# Altium PCB Copy of FOC_V1.1.PcbDoc (part 1 of 2) (continued)
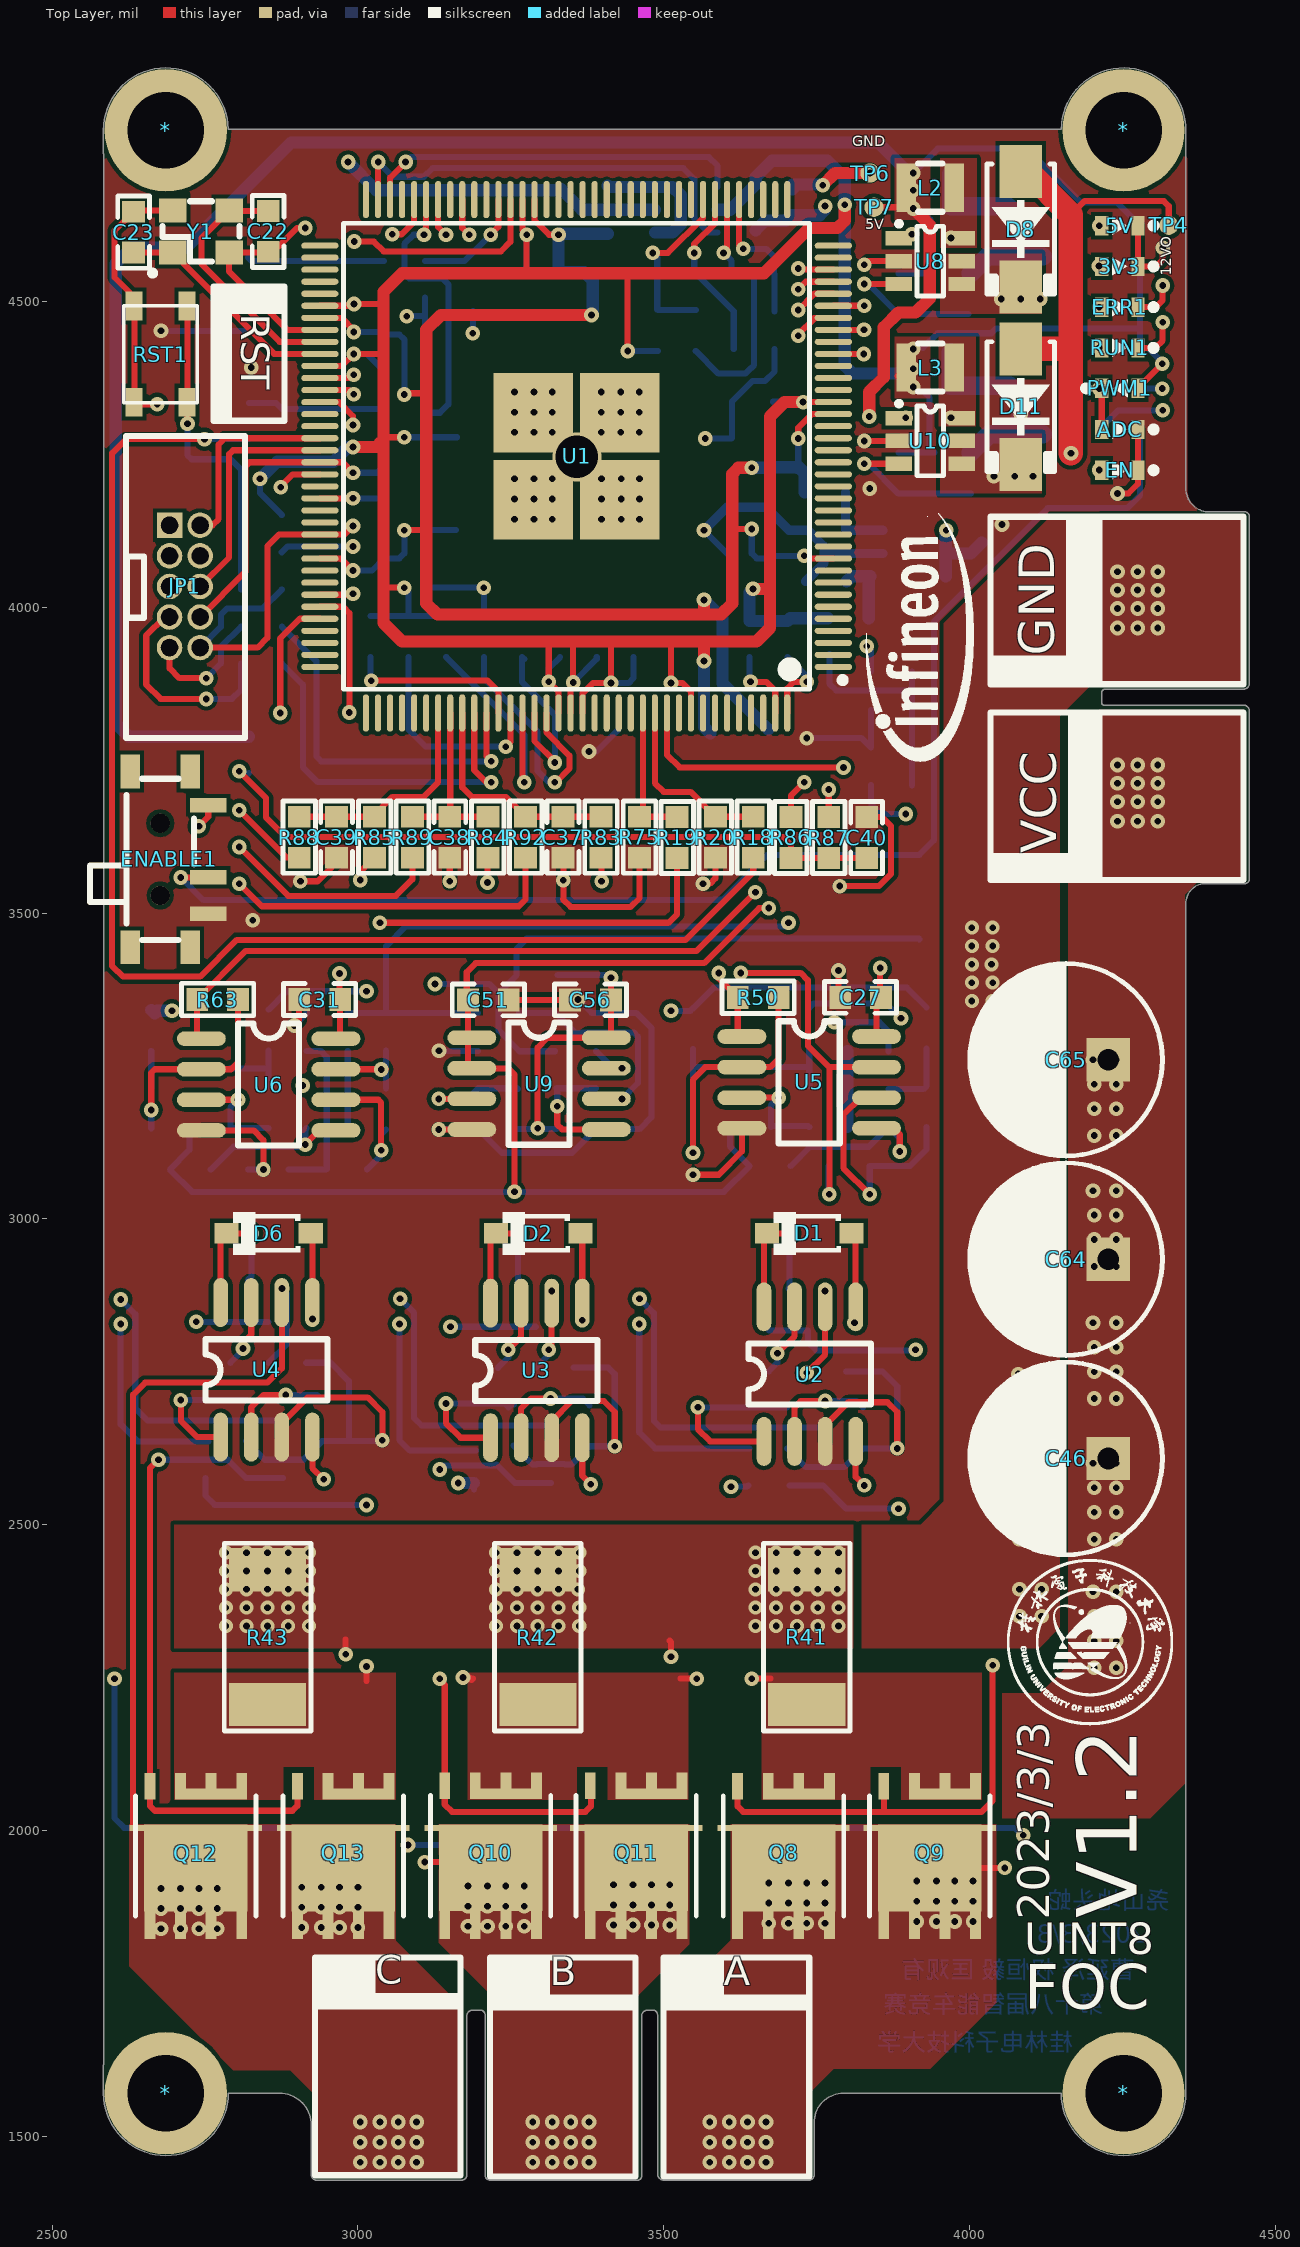
[diagram p0: Top Layer view]
## Components (designator, comment, footprint, x,y, rotation, side; value= is the part's Value field where it differs from the comment) (continued)
R44 "10K ±1%" RESC1608[0603]S-N 2817.51,2670 r270 bottom
R45 "100R ±1%" RESC1608[0603]S-N 2755.51,2669.46 r90 bottom
R46 "100R ±1%" RESC1608[0603]S-N 2879.51,2669.46 r90 bottom
R47 "2mR ±1%" RESC6332[2512]S 3816,2396 r180 bottom
R48 "10K ±1%" RESC1608[0603]S-N 2941.51,2670 r270 bottom
R49 "0R ±1%" RESC1608[0603]S-N 3764,4188 r0 bottom
R50 "150K ±1%" RESC1608[0603]S-N 3654.54,3362 r180 top
R51 "150K ±1%" RESC1608[0603]S-N 3804,3084 r0 bottom
R52 "1K ±1%" RESC1608[0603]S-N 3548,3310.93 r270 bottom
R53 "1K ±1%" RESC1608[0603]S-N 3548,3183.46 r270 bottom
R54 "1K ±1%" RESC1608[0603]S-N 3930,3183.46 r90 bottom
R55 "1K ±1%" RESC1608[0603]S-N 3930,3312 r90 bottom
R56 "1K ±1%" RESC1608[0603]S-N 3738,3311.46 r270 bottom
R57 "1K ±1%" RESC1608[0603]S-N 3738,3183.46 r270 bottom
R58 "1K ±1%" RESC1608[0603]S-N 3834,3150 r180 bottom
R59 "1K ±1%" RESC1608[0603]S-N 3834,3274 r0 bottom
R60 "150K ±1%" RESC1608[0603]S-N 3642,3150 r0 bottom
R61 "150K ±1%" RESC1608[0603]S-N 3674,3084 r180 bottom
R62 "10K ±1%" RESC1608[0603]S-N 3046,3306 r90 bottom
R63 "150K ±1%" RESC1608[0603]S-N 2770.54,3358.54 r180 top
R64 "150K ±1%" RESC1608[0603]S-N 3046,3179.46 r270 bottom
R65 "1K ±1%" RESC1608[0603]S-N 2662,3308 r270 bottom
R66 "1K ±1%" RESC1608[0603]S-N 2662,3181.52 r270 bottom
R67 "1K ±1%" RESC1608[0603]S-N 2981.46,3080.54 r180 bottom
R68 "1K ±1%" RESC1608[0603]S-N 2853.46,3080.54 r180 bottom
R69 "1K ±1%" RESC1608[0603]S-N 2854,3308.54 r270 bottom
R70 "1K ±1%" RESC1608[0603]S-N 2854,3182.54 r270 bottom
R71 "1K ±1%" RESC1608[0603]S-N 2949.46,3148.05 r0 bottom
R72 "1K ±1%" RESC1608[0603]S-N 2949.89,3212.54 r180 bottom
R73 "150K ±1%" RESC1608[0603]S-N 2758,3148.54 r0 bottom
R74 "150K ±1%" RESC1608[0603]S-N 2726,3080.54 r180 bottom
R75 "10K ±1%" RESC1608[0603]S-N 3460.52,3624 r90 top
R76 "1K ±1%" RESC1608[0603]S-N 4245.59,4490.77 r0 bottom
R77 "1K ±1%" RESC1608[0603]S-N 4245.59,4424.15 r0 bottom
R78 "1K ±1%" RESC1608[0603]S-N 4245.53,4357.53 r180 bottom
R79 "1K ±1%" RESC1608[0603]S-N 4245.59,4224.3 r0 bottom
R80 "0R ±1%" RESC1608[0603]S-N 3802,3980 r180 bottom
R83 "4.7K ±1%" RESC1608[0603]S-N 3397.56,3624 r270 top
R84 "4.7K ±1%" RESC1608[0603]S-N 3212.47,3624 r270 top
R85 "4.7K ±1%" RESC1608[0603]S-N 3027.38,3624 r270 top
R86 "10K ±1%" RESC1608[0603]S-N 3708,3623.46 r90 top
R87 "100R ±1%" RESC1608[0603]S-N 3770,3623.41 r270 top
R88 "100R ±1%" RESC1608[0603]S-N 2904.11,3624 r270 top
R89 "100R ±1%" RESC1608[0603]S-N 3089.2,3624 r270 top
R90 "30K ±1%" RESC1608[0603]S-N 3872.43,3708.82 r0 bottom
R91 "100R ±1%" RESC1608[0603]S-N 3872.43,3894.82 r0 bottom
R92 "100R ±1%" RESC1608[0603]S-N 3274.29,3624 r270 top
R93 "10K ±1%" RESC1608[0603]S-N 3872.38,3770.82 r180 bottom
R94 "4.7K ±1%" RESC1608[0603]S-N 4245.59,4624 r0 bottom
R95 "73.2K ±1%" RESC1608[0603]S-N 3884,4512.74 r90 bottom
R96 "10K ±1%" RESC1608[0603]S-N 4002.29,4512.69 r270 bottom
R97 "100R ±1%" RESC1608[0603]S-N 4245.59,4290.92 r0 bottom
R98 "2.7K ±1%" RESC1608[0603]S-N 4245.59,4557.38 r0 bottom
R99 "10K ±1%" RESC1608[0603]S-N 3292.88,3398.54 r0 bottom
R100 "45.3K ±1%" RESC1608[0603]S-N 3883.9,4219.41 r90 bottom
R101 "10K ±1%" RESC1608[0603]S-N 3262.34,3180 r90 bottom
R102 "100R ±1%" RESC1608[0603]S-N 3356,3274 r180 bottom
R103 "10K ±1%" RESC1608[0603]S-N 3196.88,3180 r90 bottom
R104 "10K ±1%" RESC1608[0603]S-N 3230,3336.54 r180 bottom
R105 "10K ±1%" RESC1608[0603]S-N 4002.29,4219.41 r270 bottom
R106 "15K ±1%" RESC1608[0603]S-N 3324.88,3180 r270 bottom
R107 "51K ±1%" RESC1608[0603]S-N 3388.88,3180 r270 bottom
RST1 "Button" PTS810-3*4-CurvePin 2677.37,4414 r90 top
RUN1 "翠绿贴片LED" LEDC1608(0603)-L 4246,4424 r180 top
SIGIN1 "Header 3X2" ZH1.5-WF-6P 2822,4422.47 r90 bottom
TP1 "TEST" "TEST 0.8" 3188,4484 r0 bottom
TP2 "TEST" "TEST 0.8" 3160,4126.19 r0 bottom
TP3 "TEST" "TEST 0.8" 3162,4278 r0 bottom
TP4 "TEST" "TEST 0.8" 4326,4624.54 r180 top
TP5 "TEST" "TEST 0.8" 3837.46,4710 r0 bottom
TP6 "TEST" "TEST 0.8" 3837.46,4710 r180 top
TP7 "TEST" "TEST 0.8" 3844,4654 r180 top
TP8 "TEST" "TEST 2.0" 3426,3799.98 r0 bottom
TP9 "TEST" "TEST 2.0" 2876,4724 r0 bottom
TP10 "TEST" "TEST 2.0" 3550,3800.46 r0 bottom
TP11 "TEST" "TEST 2.0" 3671,3800.46 r0 bottom
U1 "SAK-TC264D-40F200N" LQFP144_L_E 3357.67,4246.87 r180 top locked
U2 "AUIRS2181" SOP-8 3664,2636 r90 top
U3 "AUIRS2181" SOP-8 3216.88,2642 r90 top
U4 "AUIRS2181" SOP-8 2775.59,2643 r90 top
U5 "COS8552SR" SOP-8 3628,3298 r0 top
U6 "COS8552SR" SOP-8 2744,3294.54 r0 top
U8 "RY8121" SOT-23-6 3936,4566 r0 top
U9 "COS8552SR" SOP-8 3186.25,3296 r0 top
U10 "RY8121" SOT-23-6 3936,4271.94 r0 top
U20 "VRD1333LTX" SOT-23-6 3910,4088 r180 bottom
Y1 "20MHz" X3225-4 2743.31,4614.41 r0 top

## Footprints (in the part's own frame and the unit in brackets; to place one, negate y for a bottom-side part, rotate by r counter-clockwise, add the part's x,y. Pads: shape width x height; smd on the part's side, far side on the other; paste and mask are expansions set on the pad)
CAPC1608[0603]S-N [mm] "Chip Capacitor,Silkscreen Border,2-Leads, Body 1.60x0.80mm, IPC Medium Density"
  rect 0.9x0.95 smd: 1(-0.85,0) 2(0.85,0)
  silkscreen extent -1.5,-0.66 1.5,0.66, body extent -0.8,-0.41 0.8,0.41, height 0.79
CAPPR3.5-8X12 [mm]
  rect 1.8x1.8 hole 0.9: 1(-1.75,0)
  round 1.8 hole 0.9: 2(1.75,0)
  silkscreen extent -4,-4.01 4,4, body extent -4,-4 4,4, height 12
DC3-10P [mm]
  rect 1.06x1.06 hole 0.71 slot 0.715 at 0 deg: 1(-2.513,-0.725)
  round 1.06 hole 0.71 slot 0.715 at 0 deg: 2(-2.513,0.545) 3(-1.243,-0.725) 4(-1.243,0.545) 5(0.027,-0.725) 6(0.027,0.545) 7(1.297,-0.725) 8(1.297,0.545) 9(2.567,-0.725) 10(2.567,0.545)
  silkscreen extent -6.22,-2.54 6.33,2.41, body extent -6.35,-2.54 6.33,2.54, height 0.25
INDC1005[0402]S [mm] "Chip Inductor, 2-Leads, Body 1.00x0.50mm, IPC Medium Density"
  rect 0.55x0.5 smd: 1(-0.43,0) 2(0.43,0)
  silkscreen extent -0.9,-0.45 0.9,0.45, body extent -0.5,-0.25 0.5,0.25, height 0.5
LEDC1608(0603)-L [mm]
  rect 0.55x0.8 smd: A(0.75,0) C(-0.75,0)
  silkscreen extent -1.53,-0.38 0.33,0.38, body extent -0.8,-0.4 0.8,0.4, height 0.64
LQFP144_L_E [mm] "QFP,0.50mm pitch,square;144 pin,IPC High Density,20.00mm L X 20.00mm W X 3.40mm H body"
  oval 1.55x0.254 smd: 1(-10.663,8.75) 2(-10.663,8.25) 3(-10.663,7.75) 4(-10.663,7.25) 5(-10.663,6.75) 6(-10.663,6.25) 7(-10.663,5.75) 8(-10.663,5.25) 9(-10.663,4.75) 10(-10.663,4.25) 11(-10.663,3.75) 12(-10.663,3.25) 13(-10.663,2.75) 14(-10.663,2.25) 15(-10.663,1.75) 16(-10.663,1.25) 17(-10.663,0.75) 18(-10.663,0.25) 19(-10.663,-0.25) 20(-10.663,-0.75) 21(-10.663,-1.25) 22(-10.663,-1.75) 23(-10.663,-2.25) 24(-10.663,-2.75) 25(-10.663,-3.25) 26(-10.663,-3.75) 27(-10.663,-4.25) 28(-10.663,-4.75) 29(-10.663,-5.25) 30(-10.663,-5.75) 31(-10.663,-6.25) 32(-10.663,-6.75) 33(-10.663,-7.25) 34(-10.663,-7.75) 35(-10.663,-8.25) 36(-10.663,-8.75) 73(10.663,-8.75) 74(10.663,-8.25) 75(10.663,-7.75) 76(10.663,-7.25) 77(10.663,-6.75) 78(10.663,-6.25) 79(10.663,-5.75) 80(10.663,-5.25) 81(10.663,-4.75) 82(10.663,-4.25) 83(10.663,-3.75) 84(10.663,-3.25) 85(10.663,-2.75) 86(10.663,-2.25) 87(10.663,-1.75) 88(10.663,-1.25) 89(10.663,-0.75) 90(10.663,-0.25) 91(10.663,0.25) 92(10.663,0.75) 93(10.663,1.25) 94(10.663,1.75) 95(10.663,2.25) 96(10.663,2.75) 97(10.663,3.25) 98(10.663,3.75) 99(10.663,4.25) 100(10.663,4.75) 101(10.663,5.25) 102(10.663,5.75) 103(10.663,6.25) 104(10.663,6.75) 105(10.663,7.25) 106(10.663,7.75) 107(10.663,8.25) 108(10.663,8.75)
  oval 0.254x1.55 smd: 37(-8.75,-10.663) 38(-8.25,-10.663) 39(-7.75,-10.663) 40(-7.25,-10.663) 41(-6.75,-10.663) 42(-6.25,-10.663) 43(-5.75,-10.663) 44(-5.25,-10.663) 45(-4.75,-10.663) 46(-4.25,-10.663) 47(-3.75,-10.663) 48(-3.25,-10.663) 49(-2.75,-10.663) 50(-2.25,-10.663) 51(-1.75,-10.663) 52(-1.25,-10.663) 53(-0.75,-10.663) 54(-0.25,-10.663) 55(0.25,-10.663) 56(0.75,-10.663) 57(1.25,-10.663) 58(1.75,-10.663) 59(2.25,-10.663) 60(2.75,-10.663) 61(3.25,-10.663) 62(3.75,-10.663) 63(4.25,-10.663) 64(4.75,-10.663) 65(5.25,-10.663) 66(5.75,-10.663) 67(6.25,-10.663) 68(6.75,-10.663) 69(7.25,-10.663) 70(7.75,-10.663) 71(8.25,-10.663) 72(8.75,-10.663) 109(8.75,10.663) 110(8.25,10.663) 111(7.75,10.663) 112(7.25,10.663) 113(6.75,10.663) 114(6.25,10.663) 115(5.75,10.663) 116(5.25,10.663) 117(4.75,10.663) 118(4.25,10.663) 119(3.75,10.663) 120(3.25,10.663) 121(2.75,10.663) 122(2.25,10.663) 123(1.75,10.663) 124(1.25,10.663) 125(0.75,10.663) 126(0.25,10.663) 127(-0.25,10.663) 128(-0.75,10.663) 129(-1.25,10.663) 130(-1.75,10.663) 131(-2.25,10.663) 132(-2.75,10.663) 133(-3.25,10.663) 134(-3.75,10.663) 135(-4.25,10.663) 136(-4.75,10.663) 137(-5.25,10.663) 138(-5.75,10.663) 139(-6.25,10.663) 140(-6.75,10.663) 141(-7.25,10.663) 142(-7.75,10.663) 143(-8.25,10.663) 144(-8.75,10.663)
  rect 3.3x3.3 smd: 145(-1.8,1.8) 145(-1.8,-1.8) 145(1.8,1.8) 145(1.8,-1.8)
  silkscreen extent -11.17,-9.68 9.68,9.68, body extent -11,-11 11,11, height 1.63
"M3 125X200"#1 [mil] "M3螺丝孔，孔125Mil，焊盘200Mil"
  round 200 hole 125: 3(0,0)
"M3 125X200"#2 [mil] "M3螺丝孔，孔125Mil，焊盘200Mil"
  round 200 hole 125: 2(30,0)
"M3 125X200"#3 [mil] "M3螺丝孔，孔125Mil，焊盘200Mil"
  round 200 hole 125: 1(-18,0)
"M3 125X200"#4 [mil] "M3螺丝孔，孔125Mil，焊盘200Mil"
  round 200 hole 125: 4(2,0)
MSK-12C01-07 [mm] "6.7*2.8*1.5mm(长宽高）"
  rect 1.4x0.8 smd: 0(-3.65,-1.25) 0(-3.65,1.25) 0(3.65,-1.25) 0(3.65,1.25)
  rect 0.6x1.5 smd: 1(-2.25,1.996) 2(0.75,1.996) 3(2.25,1.996)
  round 0.8 hole 0.8: " "(-1.5,0) " "(1.5,0)
  silkscreen extent -3.35,-2.92 3.35,1.4, body extent -3.92,-2.9 3.92,2.4, height 1.5
PTS810-3*4-CurvePin [mm] "3*4 白色 汽车遥控器贴片按键 包脚"
  rect 1.2x0.7 smd: 1(-2,-1.1) 1(2,-1.1) 2(-2,1.1) 2(2,1.1)
  silkscreen extent -2.02,-1.52 2,1.52, body extent -2.3,-1.6 2.3,1.6, height 2.5
RESC1608[0603]S-N [mm]
  rect 0.9x0.95 smd: 1(-0.85,0) 2(0.85,0)
  silkscreen extent -1.5,-0.67 1.5,0.67, body extent -0.8,-0.4 0.8,0.4, height 0.45
RESC6332[2512]S [mm]
  rect 1.8x3.2 smd: 1(-2.8,0) 2(2.8,0)
  silkscreen extent -3.9,-1.8 3.9,1.8, body extent -3.22,-1.68 3.22,1.68, height 0.71
SLO2520 [mm]
  rect 0.8x2 smd: 1(-1,0) 2(1,0)
  silkscreen extent -0.5,-1 0.5,1, body extent -1.25,-1 1.25,1, height 1.2
SMA[DO-214AC] [mm] "Molded Diode, 2-Leads, Body 5.00x2.49mm, IPC Medium Density"
  rect 2.2x1.75 smd: A(-2.4,0) K(2.4,0)
  silkscreen extent -2.7,-1.4 2.7,1.4, body extent -2.9,-1.46 2.91,1.46, height 2.3
SMC[DO-214AB] [mm]
  rect 2.6x3.15 smd: A(-3.6,0) K(3.6,0)
  silkscreen extent -4.1,-3.15 4.1,3.15, body extent -4.17,-3.11 4.18,3.11, height 2.3
SOD-123-L [mm]
  rect 1x0.85 smd: A(-1.75,0) K(1.75,0)
  silkscreen extent -1.32,-0.9 1.48,0.9, body extent -1.85,-0.8 1.85,0.8, height 1.2
SOP-8 [mil]
  oval 80x24 smd: 1(0,0) 2(0,-50) 3(0,-100) 4(0,-150) 5(220,-150) 6(220,-100) 7(220,-50) 8(220,0)
  silkscreen extent 60,-175 160,25, body extent -15,-173 235,24, height 74
SOT-23-6 [mm]
  rect 1.1x0.6 smd: 1(-1.3,0.95) 2(-1.3,0) 3(-1.3,-0.95) 4(1.3,-0.95) 5(1.3,0) 6(1.3,0.95)
  silkscreen extent -1.38,-1.45 0.55,1.62, body extent -1.5,-1.5 1.5,1.5, height 1.55
TDSON-8 [mm]
  rect 0.45x1.6 smd: 1(-1.905,2.65) 1(-0.635,2.65) 1(0.635,2.65) 1(1.905,2.65)
  rect 5.5x0.25 smd: 1(0,-1.16)
  rect 4.3x3.605 smd: 1(0,0.495)
  rect 0.45x1.1 smd: 2(1.905,-2.9) 3(-1.905,-2.9) 3(-0.635,-2.9) 3(0.635,-2.9)
  rect 2.99x0.45 smd: 3(-0.635,-2.575)
  silkscreen extent -2.5,-2.5 2.5,2.5, body extent -2.45,-3 2.45,3, height 1
"TEST 0.8" [mm] "测试点0.8mm"
  round 0.8 smd: 1(0,0)
"TEST 2.0" [mm] "测试点2.0mm"
  round 2 smd paste-2: 1(0,0)
  silkscreen extent -1.27,-1.27 1.27,1.27
X3225-4 [mil] "3225 4脚 晶振"
  rect 45x39.37 smd: 1(-46,-34.4) 2(46,-34.41) 3(46,34.41) 4(-46,34.41)
  silkscreen extent -83,-72 63,49, body extent -63,-49 63,49, height 24
ZH1.5-WF-6P [mm]
  rect 1.5x2.3 smd: 0(-5.8,-3.85) 0(5.8,-3.85)
  rect 0.8x3 smd: 1(-3.75,0) 2(-2.25,0) 3(-0.75,0) 4(0.75,0) 5(2.25,0) 6(3.75,0)
  silkscreen extent -6.05,-6 6.05,0, body extent -6.29,-6 6.29,0.71, height 3.9

## Part data
3V3 5V: library part "LED Chip Red"
* * * *: "铜柱孔"
ADC EN PWM1: library part "LED Chip Blue"
C1 C2 C5 C6 C9 C10 C11 C12 C13 C14 C15 C16 C17 C18 C19 C20 C21 C22 C23 C24 C27 C29 C30 C31 C33 C34 C37 C38 C39 C40 C41 C43 C45 C49 C50 C51 C53 C55 C56 C57 C58 C59 C60: library part Cap-Chip, "贴片电容"
C3 C7 C25: library part Cap-Chip_3, "贴片电容"
C4 C8 C26 C35 C42 C44 C52 C54 C67 C68: library part Cap-Chip_1, "贴片电容"
C32: library part Cap-Chip_4, "贴片电容"
C46 C64 C65: library part Cap-Elect, "Polarized Capacitor (Radial)", Voltage=25V, Price(RMB)=0.000, Published=8-Jun-2000, Publisher="Altium Limited", Revision="July-2002: Re-released for DXP Platform."
D1 D2 D6 D10: library part Diode, "普通二极管 Diode"
D7: library part "Diode Zen", "稳压二极管 齐纳二极管  Zener Diode"
D8 D11: library part Diode_1, "普通二极管 Diode"
D9: library part "Diode TVS Bi-Dir", "TRANSIENT VOLTAGE  SUPPRESSOR DIODE"
ENABLE1: "单刀双掷开关 3脚船型、钮子、拨动开关 SPDT Subminiature Toggle Switch"
ERR1: library part "LED Chip Yellow"
FB1 FB2 FB3: library part FB-Chip, "贴片磁珠"
Hall1: "Header, 6-Pin"
JP1: "5*2P接插件"
L1 L2 L3: library part Ind-Power, "Power Inductor, Ferrite-Core"
Q1: "BSL215C N+P"
Q2 Q3 Q4 Q5 Q6 Q7 Q8 Q9 Q10 Q11 Q12 Q13: "英飞凌 N沟 MOS"
R1 R3 R4 R6 R7 R8 R9 R10 R11 R13 R14: library part R, "贴片电阻"
R2 R5 R12 R15: library part Res-Chip, "贴片电阻"
R16 R17 R18 R19 R20 R25 R26 R27 R31 R32 R33 R75 R90 R91 R93 R95 R96 R100 R105: library part Res-Chip_18, "贴片电阻"
R21 R24 R28 R29 R30 R34 R37 R38 R39 R40 R44 R48 R49 R62 R76 R77 R78 R79 R80 R83 R84 R85 R86 R101 R103 R104 R106 R107: library part Res-Chip_2, "贴片电阻"
R22 R23 R35 R36 R45 R46: library part Res-Chip_4, "贴片电阻"
R41 R42 R43 R47: library part Res-Chip_19, "贴片电阻"
R50 R51 R61 R63 R64 R74: library part Res-Chip_13, "贴片电阻"
R52 R53 R54 R55 R56 R57 R58 R59 R60 R65 R66 R67 R68 R69 R70 R71 R72 R73 R87 R88 R89 R92 R94 R97 R98 R99 R102: library part Res-Chip_7, "贴片电阻"
RST1: library part KEY, "按键"
RUN1: library part "LED Chip Green"
SIGIN1: "Header, 3-Pin, Dual row"
TP1 TP2 TP3 TP4 TP5 TP6 TP7 TP8 TP9 TP10 TP11: "测试点"
U5 U6 U9: "COS8552SR 二路通用运算放大器"
U8 U10: "18V 2A 1MHz Synchronous Step-Down Regulator"
Y1: library part XTAL-4, "四脚无源晶振 Crystal Oscillator"

## Via types
v1: diameter 24, hole 11, Top Layer to Bottom Layer, 475 vias
v2: diameter 23, hole 11, Top Layer to Bottom Layer, 85 vias
v3: diameter 24/24/24 (per signal layer), hole 11, Top Layer to Bottom Layer, 4 vias
v4: diameter 80, hole 70, Top Layer to Bottom Layer, 1 vias

## Nets (pads, with @x,y where several pads share a name; then routed paths per layer and width w, separated by ;. In a path a pad name is that pad's centre, name@x,y a point inside that pad or via, vN(x,y) a via of type N, cw(c..) or ccw(c..) an arc to the next point about the centre after c; other vN are vias at no path point)
BATADC: R91.1 U1.27 | length 616.3
  Top Layer w10: U1.27@3777.45,4414.19 v1(3827.37,4414.19)
  Signal Layer 1 w10: v1(3827.37,4414.19) 3792,4378.82 3792,3954 3810,3936 v1(3832,3936)
  Bottom Layer w10: v1(3832,3936) 3838.97,3929.03 R91.1@3838.97,3894.82
BREAK: C58.2 D10.A R99.1 R102.2 U1.60 | length 2677.4
  Top Layer w10: v1(2994,4598) 3026,4598 3042,4582 3234,4582 3249.4,4597.4 U1.60@3249.4,4666.67
  Signal Layer 1 w10: v1(2994,4598) 2936,4540 2936,3918 3126,3728 3126,3556.53 3125,3555.53 3125,3391 v1@3126,3390
  Bottom Layer w10: v1(3126,3384) 3215.12,3384 3230,3369.12 ; R102.2@3322.54,3274 3264,3274 C58.2@3263.46,3274.54 3230,3308 3230,3369.12 ; D10.A@3918,3457.1 3917.1,3458 3276,3458 3259.41,3441.41 R99.1@3259.41,3398.54 3230,3369.12
CU_A: R50.2 U1.34 U5.1 | length 1385.5
  Top Layer w10: v1(3590,3402) 3590,3393.07 R50.2@3621.07,3362 3621.07,3304.93 U5.1@3628,3298 ; v1(3720,4554) 3722.02,4551.98 U1.34@3777.45,4551.98
  Signal Layer 1 w10: v1(3590,3402) 3590,4264.06 3592,4266.06 3592,4285.94 3590,4287.94 3590,4424 v1(3720,4554)
CU_B: R51.1 U1.33 U5.7 | length 1830.9
  Top Layer w10: v1(3626,3402) 3724,3402 3736,3390 3736,3283 3771,3248 U5.7@3848,3248 ; v1(3720,4520) 3732.3,4532.3 U1.33@3777.45,4532.3 ; v1(3771,3040) 3771,3246
  Signal Layer 1 w10: v1(3626,3402) 3620,3402 3617.54,3404.46 3617.54,4417.54 v1(3720,4520)
  Bottom Layer w10: R51.1@3770,3086 3770,3041 v1(3771,3040)
CU_C: R63.2 U1.32 U6.1 | length 2109.7
  Top Layer w10: U6.1@2744,3294.54 2737.07,3301.46 R63.2@2737.07,3358.54 2816.54,3438 3554,3438 v1(3650,3534) ; v1(3720,4486) 3746.61,4512.61 U1.32@3777.45,4512.61
  Signal Layer 1 w10: v1(3650,3534) 3652,3534 3670,3552 3670,4243.98 3662,4251.98 3662,4428 v1(3720,4486)
CU_SUM: C32.2 R62.2 R104.2 U1.31 | length 2111.8
  Top Layer w10: U1.31@3777.45,4492.93 v1(3828,4492.93)
  Signal Layer 1 w10: v1(3704,3484) 3704,4258.06 3696,4266.06 3696,4360.93 v1(3828,4492.93)
  Bottom Layer w10: C32.2@2983.35,3338.54 2985.35,3336.54 R104.2@3196.54,3336.54 ; R62.2@3046,3339.46 3046,3446 3078,3478 3698,3478 v1(3704,3484)
DIRIN: R18.1 R20.1 U1.133 | length 298.3
  Top Layer w10: U1.133@3485.62,3827.06 3485.62,3712.38 3500,3698 3543.99,3698 R20.1@3584.52,3657.46 R18.1@3646.52,3657.46
DIROUT: R16.1 U1.67 | length 465.1
  Top Layer w10: v1(3108,4609.09) 3111.61,4612.69 U1.67@3111.61,4666.67
  Bottom Layer w10: v1(3108,4609.09) 3091.09,4609.09 3076,4594 3076,4546 3084,4538 3138,4538 3148,4528 3148,4332 3134,4318 R16.1@3109.46,4318
ENABLE: R97.1 U1.134 | length 1569.6
  Top Layer w10: U1.134@3505.31,3827.06 3505.31,3758.69 3526,3738 v1(3794,3738)
  Signal Layer 1 w10: v1(3794,3738) 4118,3738 4131,3751 4131,4303 4150,4322 v1(4316,4322)
  Bottom Layer w10: R97.1@4212.12,4290.92 4243.21,4322 v1(4316,4322)
ENLED: D10.K ENABLE1.2 R79.2 R97.2 | length 2220.8
  Top Layer w10: v1(2710.17,3558.17) ENABLE1.2@2755.37,3558.17
  Bottom Layer w10: v1(2710.17,3558.17) 2747.35,3521 3581.53,3521 3582.26,3521.74 3596.27,3521.74 3669.43,3594.9 D10.K@3918,3594.9 3942,3618.9 3942,3976 4128,4162 4258,4162 4279.05,4183.05 R79.2@4279.05,4224.3 R97.2@4279.05,4290.92
ERR: ERR1.C U1.84 | length 1661.1
  Top Layer w10: U1.84@2937.87,4374.82 2988.06,4374.82 v1(2993.24,4380) ; ERR1.C@4275.53,4490.67 4304.67,4490.67 4316,4502 v1(4316,4526)
  Signal Layer 1 w10: v1(2993.24,4380) 3006,4380 3020,4394 3020,4512 3062,4554 3439.06,4554 3442.06,4551 3629,4551 3700,4622 3852.04,4622 3898,4576.04 ; 3898,4576 4148,4576 4190,4534 4308,4534 v1(4316,4526)
GND: 3V3.C 5V.C ADC.C C4.1 C8.1 C26.1 C27.1 C31.1 C32.1 C37.1 C38.1 C39.1 C40.1 C41.1 C42.1 C43.1 C46.2 C49.1 C50.1 C51.2 C52.1 C53.1 C56.2 C57.2 C58.1 C59.1 C60.1 C64.2 C65.2 C68.1 D7.A D9.A EN.C ENABLE1.3 FB3.1 Hall1.1 R20.2 R21.2 R24.2 R34.2 R37.2 R44.2 R47.1 R48.2 R68.2 R75.1 R93.2 R96.1 R103.1 R105.1 R107.2 SIGIN1.3 SIGIN1.4 TP5.1 TP6.1 TP8.1 U2.3 U3.3 U4.3 U5.4 U6.4 U8.2 U9.4 U10.2 | length 6716.7
  Top Layer w10: U6.4@2744,3144.54 2829.46,3144.54 2845.46,3128.54 v1(2845.46,3080.54) ; U4.3@2875.59,2643 2875.59,2665.59 2918,2708 3016,2708 3040,2684 v1(3040,2638) ; v1(2896,3316) 2904,3324 C31.1@2904,3358.54 ; v1(2906,3552) 2934,3552 2965.17,3583.17 C39.1@2965.17,3590.54 ; v1(3132,3146) U9.4@3186.25,3146 ; v1(3150,3552) 3150,3548.52 3150.26,3548.26 C38.1@3150.26,3590.54 ; C51.2@3246.88,3358 C56.2@3346.88,3358 ; U3.3@3316.88,2642 3316.88,2668.88 3350,2702 3402,2702 3420,2684 v1(3420,2628) ; C37.1@3335.35,3590.54 3336,3589.89 v1(3336,3553.38) 3336,3523.29 3335.35,3522.65 3348,3510 3446,3510 3460.52,3524.52 R75.1@3460.52,3590.54 ; v1(3548,3072) 3590,3072 3628,3110 U5.4@3628,3148 ; v1(3564.36,3548) 3576,3548 3584.52,3556.52 R20.2@3584.52,3590.54 ; U2.3@3764,2636 3764,2662 3802,2700 3865.95,2700 3881.95,2684 v1(3881.95,2624.48) ; v1(3786,3406) 3786,3364.54 C27.1@3788.54,3362 ; v1(3788,3544) 3852,3544 3872,3564 3872,3642 3857.13,3656.87 C40.1@3832,3656.87 ; v1(3828.05,4271.94) U10.2@3884.82,4271.94 ; v1(3828.05,4560) 3834.05,4566 U8.2@3884.82,4566 ; v1(4242,4186) 4260,4186 4275.53,4201.53 EN.C@4275.53,4224 ADC.C@4275.53,4290.67 ; 5V.C@4275.53,4624 3V3.C@4275.53,4557.33 4305.33,4557.33 4316,4568 v1(4316,4588)
  Top Layer w20: v1(3760,4690) 3780,4710 v1(3837.46,4710)
  Signal Layer 1 w10: v1(2678,4452) 2652,4452 2631.4,4431.4 2631.4,3518.6 2664,3486 2666,3488 v1(2828,3488)
  Bottom Layer w10: v1(2678,4452) SIGIN1.4@2822,4452 ; R44.2@2817.51,2636.54 2848.05,2606 2910.98,2606 R48.2@2941.51,2636.54 2985.35,2636.54 ; R68.2@2820,3080.54 v1(2845.46,3080.54) ; v1(2896,3316) 2916.43,3336.43 C32.1@2916.43,3338.54 ; C26.1@2915.51,2764.54 2955.46,2764.54 2985.35,2734.65 2985.35,2636.54 ; v1(3040,2638) 3038.54,2636.54 2985.35,2636.54 ; v1(3132,3146) 3132.54,3146.54 R103.1@3196.88,3146.54 3235.41,3108 3350.34,3108 R107.2@3388.88,3146.54 3460.54,3146.54 3480,3166 3480,3312 3455.46,3336.54 C57.2@3389.46,3336.54 3382,3336.54 v1(3360,3358.54) ; v1(3132.54,3274.54) C58.1@3196.54,3274.54 ; R34.2@3254.88,2629.07 3285.95,2598 3292.03,2598 3292.73,2598.7 3338.1,2598.7 3338.8,2598 3348.88,2598 R37.2@3378.88,2628 v1(3420,2628) 3420,2746 3409.46,2756.54 C8.1@3352.88,2756.54 ; v1(3378,3764) 3390.02,3764 TP8.1@3426,3799.98 ; R21.2@3702,2624.54 3732.54,2594 3795.52,2594 R24.2@3826,2624.48 v1(3881.95,2624.48) 3881.95,2726.05 3857.46,2750.54 C4.1@3798,2750.54 ; v1(3734,3786) D7.A@3771,3786 3823.73,3786 R93.2@3838.91,3770.82 C41.1@3838.91,3832.24 ; v1@4238,4182 v1(4242,4186)
  Bottom Layer w20: FB3.1@3710.54,4683.46 FB3.1@3712,4684.93 ; 3710.54,4691.46 3761.46,4691.46 v1(3760,4690)
  Bottom Layer w30: C53.1@3969.46,4415.94 C52.1@3969.46,4361.94 4066.05,4361.94 4084,4344 v1(4084,4316) 4084,4282.93 ; C43.1@3969.76,4707.94 C42.1@3969.76,4655.94 4062.05,4655.94 v1(4084,4634) 4084,4573.46 ; R105.1@4002.29,4252.87 4032.34,4282.93 C60.1@4060.86,4282.93 4084,4282.93 ; R96.1@4002.29,4546.15 4029.6,4573.46 C49.1@4060.86,4573.46 4084,4573.46 ; C59.1@4120,4282.93 4084,4282.93 ; C50.1@4120,4573.46 4084,4573.46
  other v1: 4082,2350 4118,2350 4082,2394 4118,2394 4082,2476 4118,2476 4082,2520 4118,2520 4082,2560 4118,2560 4080,2600 4118,2600 4082,2706 4118,2706 4080,2746 4118,2746 4082,2922 4118,2922 4082,2966 4118,2966 4082,3006 4118,3006 4080,3046 4118,3046 4082,3136 4118,3136 4082,3180 4118,3180 4082,3220 4118,3220 4080,3260 4118,3260 4242,3966 4275,3966 4308,3966 4242,3998 4275,3998 4308,3998 4242,4028 4275,4028 4308,4028 4242,4058 4275,4058 4308,4058 4053.18,4135.4 3836.93,4194.13
  other v2: 4004,3356 4038,3356 4004,3386 4038,3386 4004,3416 4036,3416 4004,3446 4038,3446 4004,3476 4038,3476
  other v3: 2825.59,4391.94
GNDCore: C1.1 C2.1 C5.1 C6.1 C9.1 C10.1 C11.1 C14.1 C15.1 C16.1 C17.1 C18.1 C19.1 C20.1 C21.1 C22.1 C23.1 C24.1 C35.2 C67.2 FB1.2 FB3.2 JP1.3 JP1.5 Q1.5 R1.2 R3.2 RST1.2 TP1.1 U1.80 U1.145 U20.5 Y1.2 Y1.4 | length 3117.9
  Top Layer w10: v1(2672,4332) 2638.14,4332 2634.69,4335.45 2634.69,4506.74 2602,4539.43 2602,4615.62 C23.1@2633.31,4646.93 2635.19,4648.81 Y1.4@2697.31,4648.81 ; v1(2914,4620) 2900.24,4620 2861.31,4581.07 C22.1@2853.31,4581.07 2852.24,4580 Y1.2@2789.31,4580 2789.31,4548.69 2884.44,4453.56 U1.80@2937.87,4453.56
  Bottom Layer w10: C24.1@2875.46,4090 2884.69,4099.23 v1(2992,4099.23) ; v1(3080.06,4476) 3110,4476 ; C1.1@3110,4080 3110,4042 3120,4032 v1(3206,4032) R1.2@3206,3985.46 R3.2@3268.54,3985.46 ; C10.1@3110,4386 C6.1@3110,4446 3110,4476 ; C18.1@3110,4506 3110,4476 ; v1(3188,4448) TP1.1@3188,4481.61 ; TP1.1@3188,4484 TP1.1@3188,4481.61 ; R3.2@3274,3990.93 R3.2@3268.54,3985.46 ; C2.1@3328.54,4481.07 3328,4481.61 C17.1@3268.54,4481.61 TP1.1@3188,4481.61 ; C15.1@3512,3985.46 R3.2@3268.54,3985.46 ; v1(3566,4126) 3566,4125.07 C11.1@3611.07,4080 ; v1(3568,4276) C5.1@3611.07,4276 3611.61,4276.54 C16.1@3611.61,4336 3645.61,4370 3666,4370 3681.46,4385.46 FB1.2@3681.46,4422.05
  Bottom Layer w15: v1(3566,4126) 3603.59,4163.59 3667.47,4163.59 3705.05,4126 C35.2@3730.54,4126 3736,4126 3762,4100 3762,4084 ; C67.2@3732,4042 3762,4072 3762,4084 ; U20.5@3858.82,4088 3766,4088 3762,4084
  Bottom Layer w20: v1(2984,4728) 3030,4682 3331.07,4682 C21.1@3332.54,4683.46 3366,4650 Q1.5@3485.89,4650 ; C20.1@3650.54,4616.54 3666,4632 3699.07,4632 3708.14,4641.07 FB3.2@3710.54,4641.07 3755.07,4641.07 3764,4650 v1(3764,4655.94)
  other v1: 3256,4144 3288,4144 3318,4144 3398.52,4144 3430.52,4144 3460.52,4144 3256,4177 3288,4177 3318,4177 3398.52,4177 3430.52,4177 3460.52,4177 3256,4210 3288,4210 3318,4210 3398.52,4210 3430.52,4210 3460.52,4210 3256,4286 3288,4286 3318,4286 3398,4286 3430,4286 3460,4286 3256,4319 3288,4319 3318,4319 3398,4319 3430,4319 3460,4319 3256,4352 3288,4352 3318,4352 3398,4352 3430,4352 3460,4352
  other v4: 3358,4246
HA: C39.2 R85.1 R88.1 U1.115 | length 380.5
  Top Layer w10: R88.1@2904.11,3657.46 R85.1@3024,3657.46 ; C39.2@2951.88,3657.46 C39.2@2965.17,3657.46 ; R85.1@3027.38,3657.46 R85.1@3024,3657.46 ; U1.115@3131.29,3827.06 3131.29,3713.68 3107.61,3690 3056.54,3690 R85.1@3024,3657.46
HB: C38.2 R84.1 R89.1 U1.116 | length 298.7
  Top Layer w10: R89.1@3089.2,3657.46 C38.2@3136.97,3657.46 ; U1.116@3150.98,3827.06 3150.98,3671.47 C38.2@3136.97,3657.46 ; R84.1@3212.47,3657.46 C38.2@3136.97,3657.46
HC: C37.2 R83.1 R92.1 U1.117 | length 368.5
  Top Layer w10: U1.117@3170.66,3827.06 3170.66,3705.34 3186,3690 3241.76,3690 R92.1@3274.29,3657.46 R83.1@3397.56,3657.46
HOA: R25.1 U2.7 | length 122.9
  Top Layer w10: v1(3686,2780) 3714,2808 U2.7@3714,2856
  Bottom Layer w10: R25.1@3672,2750.54 3686,2764.54 v1(3686,2780)
HOB: R26.1 U3.7 | length 121.7
  Top Layer w10: v1(3246,2786) 3266.88,2806.88 U3.7@3266.88,2862
  Bottom Layer w10: R26.1@3228.88,2756 3246,2773.12 v1(3246,2786)
HOC: R27.1 U4.7 | length 112.6
  Top Layer w10: v1(2812,2788) 2812,2797.02 2825.59,2810.61 U4.7@2825.59,2863
  Bottom Layer w10: R27.1@2791.51,2764.54 2812,2785.02 v1(2812,2788)
IA: Q8.3 Q9.3 R38.1 R41.2 R56.1 | length 1578.6
  Top Layer w10: v1(3644,2248) 3675,2248
  Signal Layer 1 w10: v1@3608,2562 3608,3278 3622,3292 3870,3292 3888,3310 v1(3888,3328) ; v1(3610,2562) 3610,2282 v1(3644,2248)
  Bottom Layer w10: v1(3610,2562) 3636.54,2562 R38.1@3638.54,2564 ; R56.1@3738,3344.93 3745.07,3352 3864,3352 v1(3888,3328)
IB: Q10.3 Q11.3 R39.1 R42.2 R59.2 | length 1793.6
  Top Layer w10: v1(3172,2250) 3182,2250 3186,2246 3188,2248 ; 3528,2248 v1(3554,2248)
  Signal Layer 1 w10: v1(3164,2568) 3172,2560 v1(3172,2250) ; v1(3554,2248) 3586,2280 3586,3308 3599.3,3321.3 v1(3778.7,3321.3)
  Bottom Layer w10: R39.1@3189.95,2557.07 R39.1@3189.95,2560 ; v1(3778.7,3321.3) 3852.7,3321.3 3867.46,3306.54 R59.2@3867.46,3274
  Bottom Layer w20: v1(3164,2568) R39.1@3189.95,2568
IC: Q12.3 Q13.3 R40.1 R43.2 R69.1 | length 1600.5
  Top Layer w10: 3014,2244 v1(3014,2268)
  Signal Layer 1 w10: v1(3014,2268) v1(3014,2532) 3012,2534 3012,3370 v1(3014,3372)
  Bottom Layer w10: R40.1@2750.53,2576 2750.53,2547.47 2766,2532 v1(3014,2532) ; R69.1@2854,3342 2884,3372 v1(3014,3372)
ISUM: R41.1 R42.1 R43.1 R47.2 R52.1 R55.2 R65.1 R72.2 | length 2970.3
  Top Layer w10: v1(2980,2288) 2980,2312 ; 3510,2310 3512,2308 v1(3512,2284)
  Signal Layer 1 w10: v1@2704,3340 2946,3340 2980,3306 2980,3218 ; v1(2910,3218) 2980,3218 ; v1(2980,2288) 2980,3218 ; v1(3512,2284) v1(3512,3340)
  Bottom Layer w10: v1(3512,3340) 3543.61,3340 R52.1@3548,3344.39 3581.61,3378 3897.46,3378 R55.2@3930,3345.46
  Bottom Layer w20: R65.1@2662,3341.46 2667.73,3335.73 2672,3340 v1(2696,3340)
  other v2: 2784,2334 2818,2334 2852,2334 2886,2334 2920,2334 3226,2334 3260,2334 3294,2334 3328,2334 3362,2334 3650,2334 3684,2334 3718,2334 3752,2334 3786,2334 2784,2364 2818,2364 2852,2364 2886,2364 2920,2364 3226,2364 3260,2364 3294,2364 3328,2364 3362,2364 3650,2364 3684,2364 3718,2364 3752,2364 3786,2364 2784,2394 2818,2394 2852,2394 2886,2394 2918,2394 3226,2394 3260,2394 3294,2394 3328,2394 3360,2394 3650,2394 3684,2394 3718,2394 3752,2394 3784,2394 2784,2424 2818,2424 2852,2424 2886,2424 2920,2424 3226,2424 3260,2424 3294,2424 3328,2424 3362,2424 3650,2424 3684,2424 3718,2424 3752,2424 3786,2424 2784,2454 2818,2454 2852,2454 2886,2454 2920,2454 3226,2454 3260,2454 3294,2454 3328,2454 3362,2454 3650,2454 3684,2454 3718,2454 3752,2454 3786,2454
LOA: R31.1 U2.4 | length 77.8
  Top Layer w10: U2.4@3814,2636 3814,2578 v1(3828,2564)
LOB: R32.1 U3.4 | length 81.8
  Top Layer w10: U3.4@3366.88,2642 3366.88,2580 v1(3380.88,2566)
LOC: R33.1 U4.4 | length 76.6
  Top Layer w10: U4.4@2925.59,2643 2925.59,2592.41 v1(2944,2574)
MODKEY: U1.87
MODLED: R78.1 U1.86 | length 1778.2
  Top Layer w10: U1.86@2937.87,4335.45 2969.13,4335.45 2992,4312.58 v1(2992,4298)
  Signal Layer 1 w10: v1(2992,4298) 2992,4298.86 3056,4362.86 3056,4490 3076,4510 3642,4510 3716,4584 3841.96,4584 3864,4561.96 ; 3864,4561.92 3887.92,4538 4132,4538 4176,4494 4176,4404 4194,4386 4287.06,4386 v1(4315.53,4357.53)
  Bottom Layer w10: R78.1@4279,4357.53 v1(4315.53,4357.53)
Net3V3_A: 3V3.A R98.1
  other v3: 4212,4558
Net5V_A: 5V.A R94.1
  other v1: 4212.12,4624
NetADC_A: ADC.A PWM1.C R78.2 | length 67.3
  Top Layer w10: ADC.A@4216.47,4290.67 PWM1.C@4216.47,4358
  other v1: 4212.07,4357.53
NetC3_2: C3.2 D1.K U2.8 | length 249.6
  Top Layer w10: U2.8@3664,2856 3664,2970.9 D1.K@3669.1,2976 v1(3706,2976)
  Bottom Layer w10: C3.2@3704.54,2886 3706,2887.46 v1(3706,2976)
NetC7_2: C7.2 D2.K U3.8 | length 238
  Top Layer w10: U3.8@3216.88,2862 3216.88,2966.9 D2.K@3225.98,2976 v1(3262,2976)
  Bottom Layer w10: C7.2@3261.41,2892 3262,2892.59 v1(3262,2976)
NetC24_2: C24.2 R12.1 R15.2 RST1.1 | length 551.4
  Top Layer w10: v1(2721.31,4300.09) 2721.31,4335.45 2721.31,4492.93 RST1.1@2721.31,4506.74
  Bottom Layer w10: v1(2721.31,4300.09) 2721.31,4248.69 2728,4242 2792,4242 2808.54,4225.46 R15.2@2808.54,4151.06 R12.1@2808.54,4028.93
NetC25_2: C25.2 D6.K U4.8 | length 236.3
  Top Layer w10: U4.8@2775.59,2863 2775.59,2966.48 D6.K@2785.1,2976 v1(2826,2976)
  Bottom Layer w10: C25.2@2820.05,2900 2826,2905.95 v1(2826,2976)
NetC29_1: C29.1 R52.2 R53.1 | length 121.4
  Bottom Layer w10: R53.1@3548,3216.93 3548,3247.2 ; R52.2@3548,3277.46 3548,3247.2 ; C29.1@3608.54,3248 3548.8,3248 3548,3247.2
NetC29_2: C29.2 R56.2 R57.1 | length 124.4
  Bottom Layer w10: C29.2@3675.46,3248 3736,3248 3738,3246 ; R57.1@3738,3216.93 3738,3246 ; R56.2@3738,3278 3738,3246
NetC30_1: C30.1 R58.2 R59.1 | length 124
  Bottom Layer w20: R58.2@3800.54,3150 C30.1@3800.54,3212 R59.1@3800.54,3274
NetC30_2: C30.2 R54.2 R55.1 | length 126.2
  Bottom Layer w10: C30.2@3867.46,3212 3925.07,3212 R54.2@3930,3216.93 R55.1@3930,3278.54
NetC33_1: C33.1 R65.2 R66.1 | length 122.8
  Bottom Layer w10: R66.1@2662,3214.98 2662,3244.76 ; R65.2@2662,3274.54 2662,3244.76 ; C33.1@2724.54,3246.54 2722.76,3244.76 2662,3244.76
NetC33_2: C33.2 R69.2 R70.1 | length 122
  Bottom Layer w10: C33.2@2791.46,3246.54 2792.46,3245.54 2854,3245.54 ; R70.1@2854,3216 2854,3245.54 ; R69.2@2854,3275.07 2854,3245.54
NetC34_1: C34.1 R71.2 R72.1 | length 126.7
  Bottom Layer w10: R71.2@2982.93,3148.05 2983.35,3148.48 R72.1@2983.35,3212.54 C34.1@2983.35,3274.54
NetC34_2: C34.2 R67.2 R68.1 | length 282.3
  Bottom Layer w10: R68.1@2886.93,3080.54 R67.2@2948,3080.54 2949.14,3081.68 2949.14,3264.37 2938.98,3274.54 C34.2@2916.43,3274.54
NetC35_1: C35.1 R49.2 U20.6 | length 123.6
  Bottom Layer w15: R49.2@3797.46,4188 C35.1@3797.46,4126 3858.22,4126 U20.6@3858.82,4125.4
NetC40_2: C40.2 Hall1.5 R86.1 R87.2 | length 1136.3
  Top Layer w10: v1(2806,3732) 2850,3688 2850,3656 2882,3624 3696,3624 3708,3612 R86.1@3708,3590 3831.95,3590 C40.2@3832,3589.95
  Bottom Layer w10: v1(2806,3732) 2812.83,3732 2818.83,3726 Hall1.5@2822,3729.17
NetC41_2: C41.2 D7.K R90.2 R91.2 R93.1 | length 375
  Bottom Layer w10: D7.K@3771,3923.79 3771,3875 3781.88,3864.12 3904.02,3864.12 3905.9,3866 ; R90.2@3905.9,3708.82 3905.9,3832.24 3905.9,3866 ; R91.2@3905.9,3894.82 3905.9,3866
NetC44_1: C44.1 R95.1 R96.2 U8.3 | length 247.6
  Top Layer w10: v1(3828,4528.6) U8.3@3884.82,4528.6
  Bottom Layer w10: v1(3828,4528.6) 3834.68,4528.6 R95.1@3884,4479.28 3998.23,4479.28 R96.2@3998.29,4479.22
NetC45_1: C45.1 U8.1
  other v1: 3906,4610
NetC45_2: C45.2 L2.2 U8.6
  other v1: 3969.76,4603.94
NetC49_2: C49.2 C50.2 D8.K U8.4 U8.5
  other v1: 4052,4504 4084,4504 4116,4504
NetC54_1: C54.1 R100.1 R105.2 U10.3 | length 251.2
  Top Layer w10: v1(3828,4234.54) U10.3@3884.82,4234.54
  Bottom Layer w10: v1(3828,4234.54) 3835.3,4234.54 R100.1@3883.9,4185.94 C54.1@3942.57,4185.94 R105.2@4002.29,4185.94
NetC55_1: C55.1 U10.1
  other v1: 3896,4310
NetC55_2: C55.2 L3.2 U10.6
  other v1: 3970,4310
NetC57_1: C57.1 R104.1 U9.6 | length 323.8
  Bottom Layer w10: R104.1@3263.46,3336.54 C57.1@3322.54,3336.54 3355.07,3304 3366.08,3304 3366.78,3304.7 3451.3,3304.7 3458,3298 3458,3222 v1(3432,3196)
NetC59_2: C59.2 C60.2 D11.K U10.4 U10.5
  other v1: 4040,4214 4074,4214 4104,4214
NetC67_1: C67.1 R80.1 U20.4 | length 112.3
  Bottom Layer w20: C67.1@3798.93,4042 3807.53,4050.6 3838,4050.6 3835.46,4048.06 R80.1@3835.46,3982
NetEN_A: EN.A R79.1
  other v1: 4212.12,4224.3
NetERR1_A: ERR1.A R76.1
  other v1: 4212.12,4490.77
NetHall1_2: Hall1.2 R92.2 | length 556.5
  Top Layer w10: v1(2806,3548) 2843,3511 3263,3511 3274.29,3522.29 R92.2@3274.29,3590.54
NetHall1_3: Hall1.3 R89.2 | length 363.1
  Top Layer w10: v1(2806,3608) 2886,3528 3062.24,3528 3089.2,3554.96 R89.2@3089.2,3590.54
NetHall1_4: Hall1.4 R88.2 | length 130.2
  Top Layer w10: v1(2806,3668) 2883.46,3590.54 R88.2@2904.11,3590.54
NetJP1_7: JP1.7 R13.2 | length 349.7
  Top Layer w10: JP1.7@2692,3984 2684,3984 2654,3954 2654,3873.37 2677.37,3850 v1(2752,3850)
  Bottom Layer w10: v1(2752,3850) 2794,3850 2808.54,3864.54 R13.2@2808.54,3908 R13.2@2812,3904.54
NetJP1_9: JP1.9 R14.2 | length 208.2
  Top Layer w10: JP1.9@2692,3934 2692,3900 2708,3884 v1(2752,3884)
  Bottom Layer w10: v1(2752,3884) 2776,3908 2776,3935.12 R14.2@2808.88,3968
NetL1_1: L1.1 Q1.4 Q1.6 | length 221.5
  Bottom Layer w20: L1.1@3408.54,4689.37 3410.5,4687.4 Q1.6@3485.89,4687.4 3514.6,4687.4 3528,4674 3528,4626 3514.6,4612.6 Q1.4@3485.89,4612.6
NetQ1_3: Q1.3 U1.71 | length 713.5
  Top Layer w10: U1.71@3032.87,4666.67 3032.87,4727.8 v1(3033.07,4728)
  Bottom Layer w10: v1(3033.07,4728) 3057.07,4704 3108,4704 3122,4718 3532,4718 3550,4700 3550,4636 3573.4,4612.6 Q1.3@3588.25,4612.6
NetQ2_2: Q2.2 Q3.2 R25.2 R28.2 | length 1680.3
  Signal Layer 1 w10: v1(3912,2786) 3912,2438 4088,2262 v1(4088,1992)
  Bottom Layer w10: Q2.2@3621,1962.34 3621,1991 3634,2004 3860,2004 ; R25.2@3672,2817.46 R28.2@3736,2817.46 3736,2798 3749.25,2784.75 3911.25,2784.75 3912,2785.5 v1(3912,2786) ; Q3.2@3860,1962.34 3860,2004 ; v1(4088,1992) 4086,1992 4074,2004 3860,2004